# Altium PCB STB_LightBoard.PcbDoc (part 28 of 31) (continued)
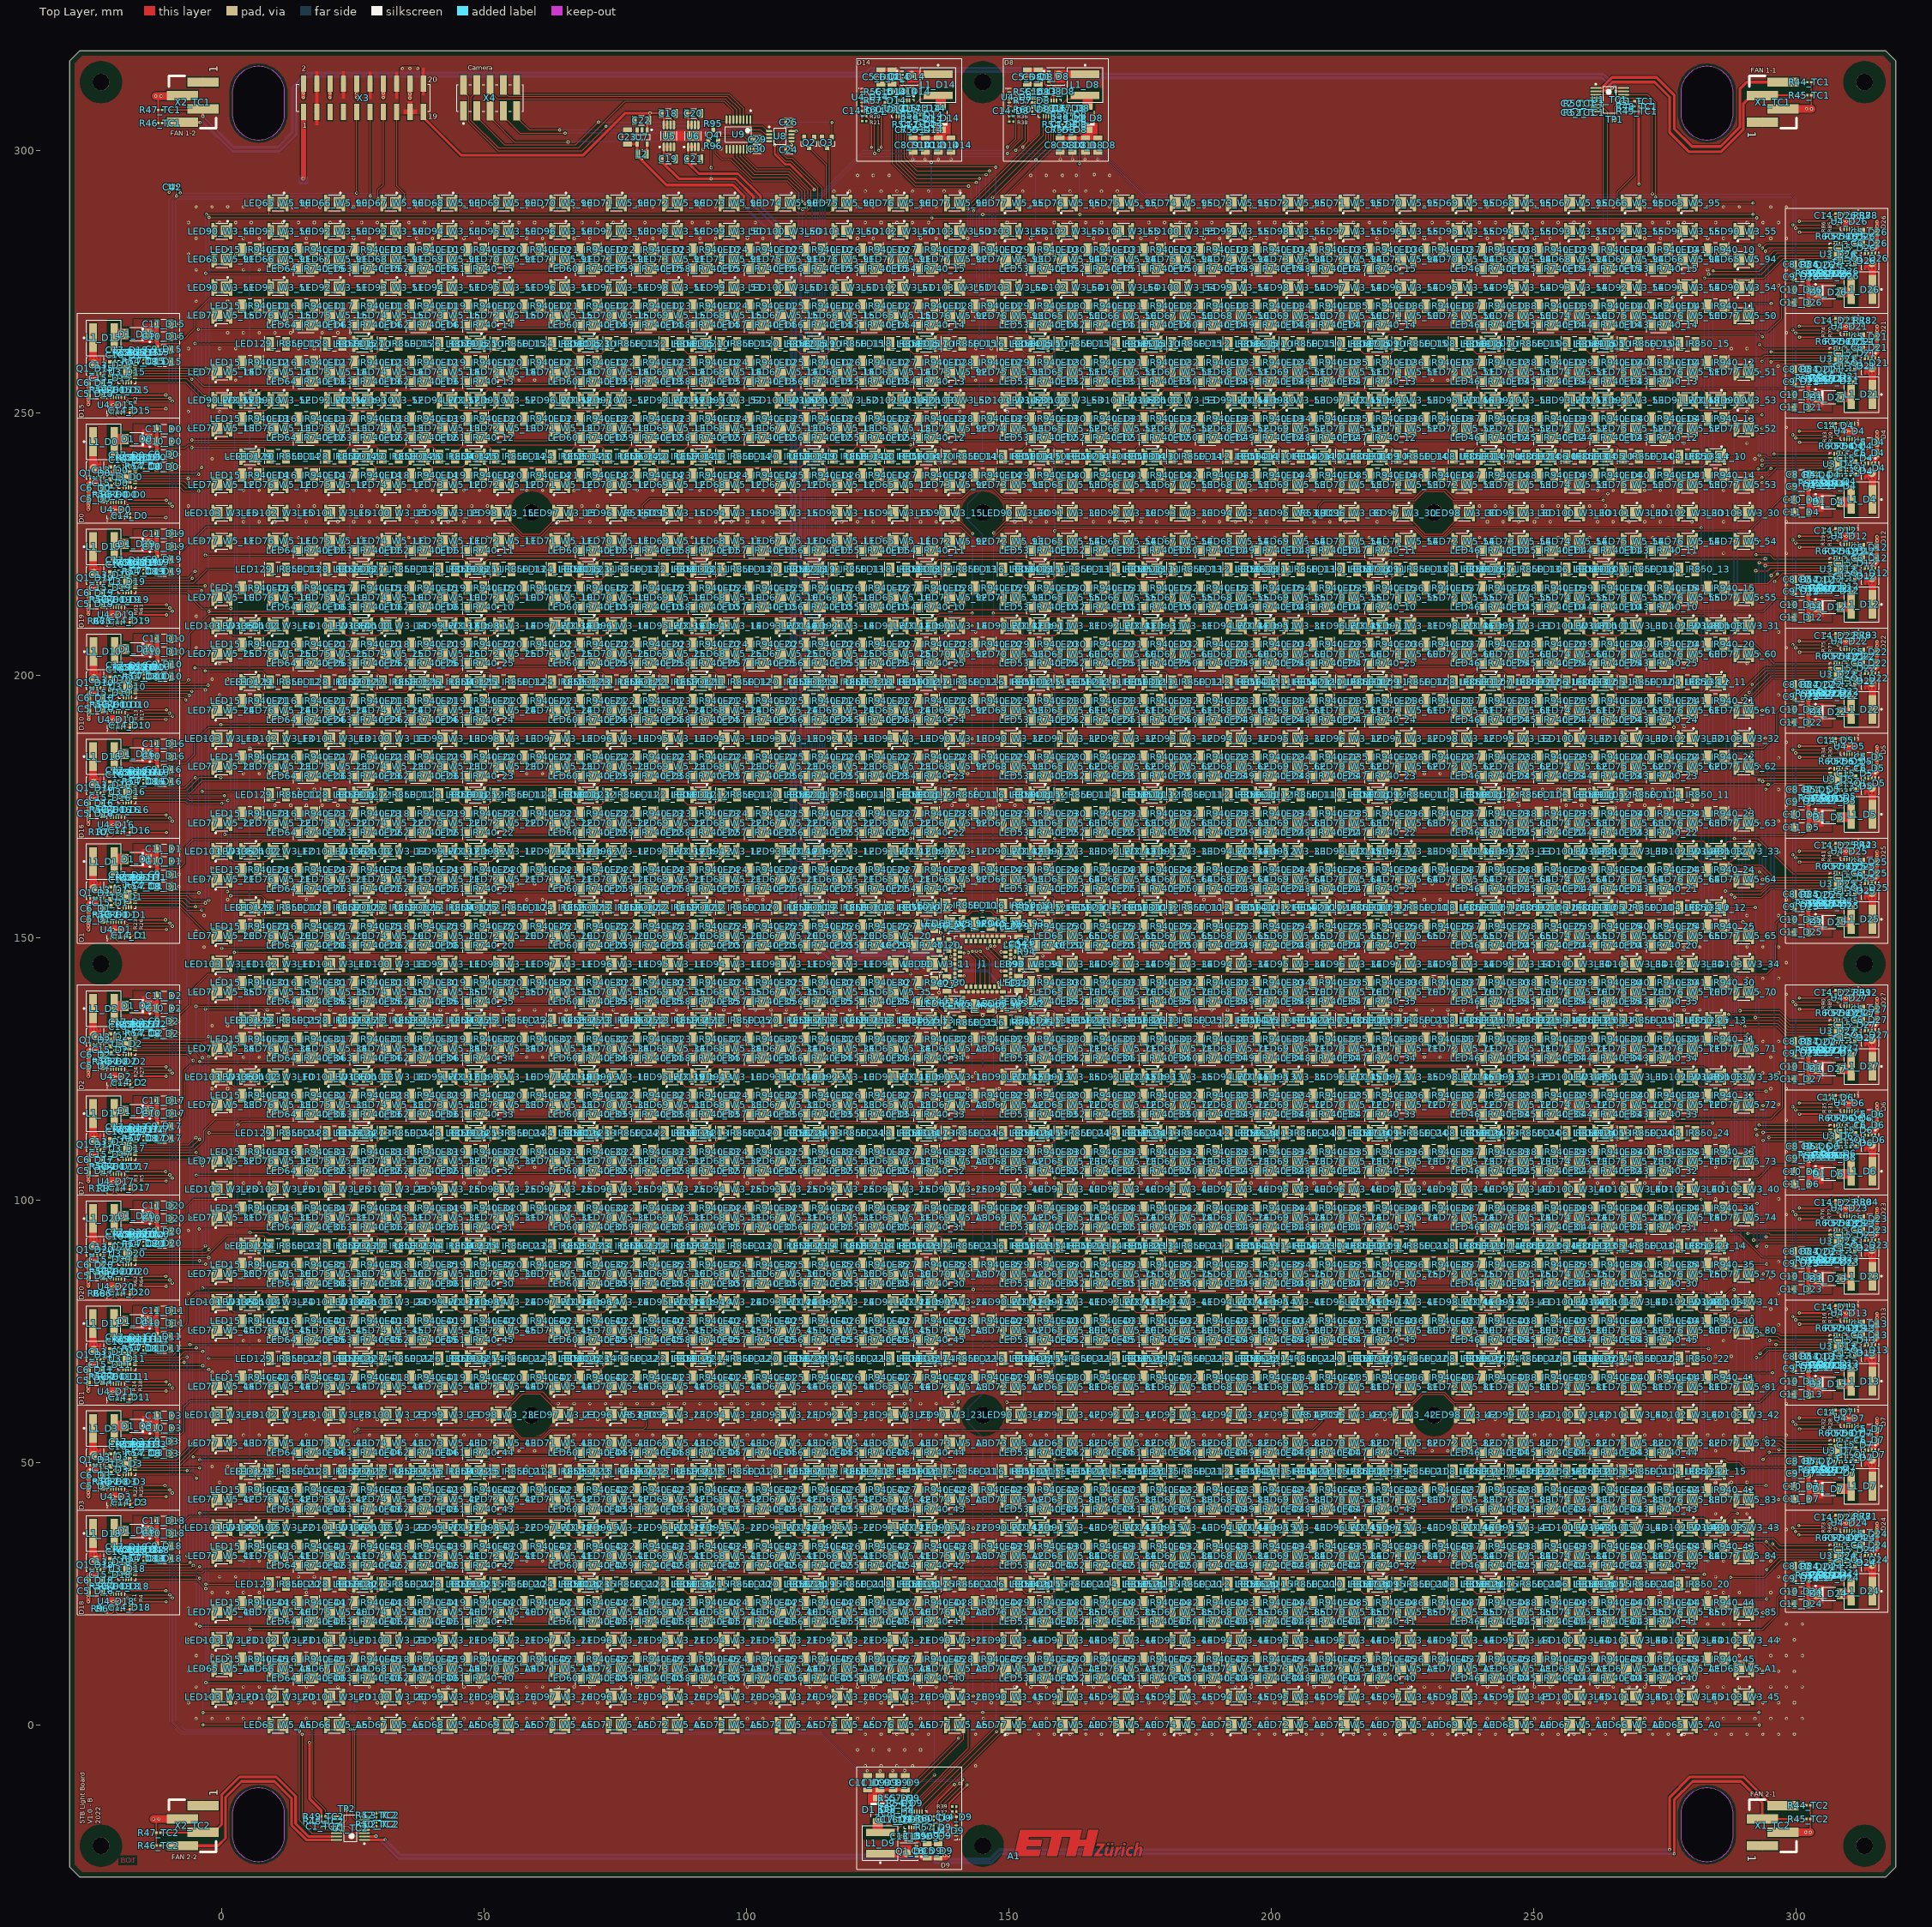
[diagram p0: Top Layer view]
## Nets (pads, with @x,y where several pads share a name; then routed paths per layer and width w, separated by ;. In a path a pad name is that pad's centre, name@x,y a point inside that pad or via, vN(x,y) a via of type N, cw(c..) or ccw(c..) an arc to the next point about the centre after c; other vN are vias at no path point) (continued)
NetLED118_IR850_11_1: LED118_IR850_11.1 LED119_IR850_11.2 | length 7.7
  Top Layer w0.2: LED119_IR850_11.2@119.651,177.226 LED118_IR850_11.1@127.392,177.226
NetLED118_IR850_12_1: LED118_IR850_12.1 LED119_IR850_12.2 | length 9.4
  Top Layer w0.2: LED119_IR850_12.2@119.651,199.258 120.624,200.231 120.624,200.239 120.947,200.562 126.088,200.562 127.392,199.258 LED118_IR850_12.1@127.392,198.708
NetLED118_IR850_13_1: LED118_IR850_13.1 LED119_IR850_13.2 | length 7.7
  Top Layer w0.2: LED119_IR850_13.2@119.651,220.19 LED118_IR850_13.1@127.392,220.19
NetLED118_IR850_14_1: LED118_IR850_14.1 LED119_IR850_14.2 | length 9.4
  Top Layer w0.2: LED119_IR850_14.2@119.651,242.222 120.624,243.195 120.624,243.203 120.947,243.526 126.088,243.526 127.392,242.222 LED118_IR850_14.1@127.392,241.672
NetLED118_IR850_15_1: LED118_IR850_15.1 LED119_IR850_15.2 | length 7.7
  Top Layer w0.2: LED119_IR850_15.2@119.651,263.154 LED118_IR850_15.1@127.392,263.154
NetLED118_IR850_20_1: LED118_IR850_20.1 LED119_IR850_20.2 | length 7.7
  Top Layer w0.2: LED119_IR850_20.2@119.651,26.852 LED118_IR850_20.1@127.392,26.852
NetLED118_IR850_21_1: LED118_IR850_21.1 LED119_IR850_21.2 | length 9.4
  Top Layer w0.2: LED119_IR850_21.2@119.651,48.884 120.624,49.857 120.624,49.865 120.947,50.188 126.088,50.188 127.392,48.884 LED118_IR850_21.1@127.392,48.334
NetLED118_IR850_22_1: LED118_IR850_22.1 LED119_IR850_22.2 | length 7.7
  Top Layer w0.2: LED119_IR850_22.2@119.651,69.816 LED118_IR850_22.1@127.392,69.816
NetLED118_IR850_23_1: LED118_IR850_23.1 LED119_IR850_23.2 | length 9.4
  Top Layer w0.2: LED119_IR850_23.2@119.651,91.848 120.624,92.821 120.624,92.829 120.947,93.152 126.088,93.152 127.392,91.848 LED118_IR850_23.1@127.392,91.298
NetLED118_IR850_24_1: LED118_IR850_24.1 LED119_IR850_24.2 | length 7.7
  Top Layer w0.2: LED119_IR850_24.2@119.651,112.78 LED118_IR850_24.1@127.392,112.78
NetLED118_IR850_25_1: LED118_IR850_25.1 LED119_IR850_25.2 | length 9.4
  Top Layer w0.2: LED119_IR850_25.2@119.651,134.812 120.624,135.785 120.624,135.793 120.947,136.116 126.088,136.116 127.392,134.812 LED118_IR850_25.1@127.392,134.262
NetLED119_IR850_10_1: LED119_IR850_10.1 LED120_IR850_10.2 | length 9.4
  Top Layer w0.2: LED120_IR850_10.2@108.91,156.294 109.883,157.267 109.883,157.275 110.206,157.598 115.347,157.598 116.651,156.294 LED119_IR850_10.1@116.651,155.744
NetLED119_IR850_11_1: LED119_IR850_11.1 LED120_IR850_11.2 | length 8.8
  Top Layer w0.2: LED120_IR850_11.2@108.91,176.676 110.24,175.346 115.321,175.346 LED119_IR850_11.1@116.651,176.676
NetLED119_IR850_12_1: LED119_IR850_12.1 LED120_IR850_12.2 | length 9.4
  Top Layer w0.2: LED120_IR850_12.2@108.91,199.258 109.883,200.231 109.883,200.239 110.206,200.562 115.347,200.562 116.651,199.258 LED119_IR850_12.1@116.651,198.708
NetLED119_IR850_13_1: LED119_IR850_13.1 LED120_IR850_13.2 | length 9.9
  Top Layer w0.2: LED120_IR850_13.2@108.91,220.19 108.91,219.64 110.207,218.343 115.354,218.343 116.651,219.64 LED119_IR850_13.1@116.651,220.19
NetLED119_IR850_14_1: LED119_IR850_14.1 LED120_IR850_14.2 | length 9.4
  Top Layer w0.2: LED120_IR850_14.2@108.91,242.222 109.883,243.195 109.883,243.203 110.206,243.526 115.347,243.526 116.651,242.222 LED119_IR850_14.1@116.651,241.672
NetLED119_IR850_15_1: LED119_IR850_15.1 LED120_IR850_15.2 | length 8.8
  Top Layer w0.2: LED120_IR850_15.2@108.91,262.604 110.214,261.3 115.347,261.3 LED119_IR850_15.1@116.651,262.604
NetLED119_IR850_20_1: LED119_IR850_20.1 LED120_IR850_20.2 | length 8.8
  Top Layer w0.2: LED120_IR850_20.2@108.91,26.302 110.214,24.998 115.347,24.998 LED119_IR850_20.1@116.651,26.302
NetLED119_IR850_21_1: LED119_IR850_21.1 LED120_IR850_21.2 | length 9.4
  Top Layer w0.2: LED120_IR850_21.2@108.91,48.884 109.883,49.857 109.883,49.865 110.206,50.188 115.347,50.188 116.651,48.884 LED119_IR850_21.1@116.651,48.334
NetLED119_IR850_22_1: LED119_IR850_22.1 LED120_IR850_22.2 | length 8.8
  Top Layer w0.2: LED120_IR850_22.2@108.91,69.266 110.214,67.962 115.347,67.962 LED119_IR850_22.1@116.651,69.266
NetLED119_IR850_23_1: LED119_IR850_23.1 LED120_IR850_23.2 | length 9.4
  Top Layer w0.2: LED120_IR850_23.2@108.91,91.848 109.883,92.821 109.883,92.829 110.206,93.152 115.347,93.152 116.651,91.848 LED119_IR850_23.1@116.651,91.298
NetLED119_IR850_24_1: LED119_IR850_24.1 LED120_IR850_24.2 | length 8.8
  Top Layer w0.2: LED120_IR850_24.2@108.91,112.23 110.214,110.926 115.347,110.926 LED119_IR850_24.1@116.651,112.23
NetLED119_IR850_25_1: LED119_IR850_25.1 LED120_IR850_25.2 | length 9.4
  Top Layer w0.2: LED120_IR850_25.2@108.91,134.812 109.883,135.785 109.883,135.793 110.206,136.116 115.347,136.116 116.651,134.812 LED119_IR850_25.1@116.651,134.262
NetLED120_IR850_10_1: LED120_IR850_10.1 LED121_IR850_10.2 | length 7.7
  Top Layer w0.2: LED121_IR850_10.2@98.169,155.744 LED120_IR850_10.1@105.91,155.744
NetLED120_IR850_11_1: LED120_IR850_11.1 LED121_IR850_11.2 | length 7.7
  Top Layer w0.2: LED121_IR850_11.2@98.169,177.226 LED120_IR850_11.1@105.91,177.226
NetLED120_IR850_12_1: LED120_IR850_12.1 LED121_IR850_12.2 | length 7.7
  Top Layer w0.2: LED121_IR850_12.2@98.169,198.708 LED120_IR850_12.1@105.91,198.708
NetLED120_IR850_13_1: LED120_IR850_13.1 LED121_IR850_13.2 | length 7.7
  Top Layer w0.2: LED121_IR850_13.2@98.169,220.19 LED120_IR850_13.1@105.91,220.19
NetLED120_IR850_14_1: LED120_IR850_14.1 LED121_IR850_14.2 | length 7.7
  Top Layer w0.2: LED121_IR850_14.2@98.169,241.672 LED120_IR850_14.1@105.91,241.672
NetLED120_IR850_15_1: LED120_IR850_15.1 LED121_IR850_15.2 | length 7.7
  Top Layer w0.2: LED121_IR850_15.2@98.169,263.154 LED120_IR850_15.1@105.91,263.154
NetLED120_IR850_20_1: LED120_IR850_20.1 LED121_IR850_20.2 | length 7.7
  Top Layer w0.2: LED121_IR850_20.2@98.169,26.852 LED120_IR850_20.1@105.91,26.852
NetLED120_IR850_21_1: LED120_IR850_21.1 LED121_IR850_21.2 | length 7.7
  Top Layer w0.2: LED121_IR850_21.2@98.169,48.334 LED120_IR850_21.1@105.91,48.334
NetLED120_IR850_22_1: LED120_IR850_22.1 LED121_IR850_22.2 | length 7.7
  Top Layer w0.2: LED121_IR850_22.2@98.169,69.816 LED120_IR850_22.1@105.91,69.816
NetLED120_IR850_23_1: LED120_IR850_23.1 LED121_IR850_23.2 | length 7.7
  Top Layer w0.2: LED121_IR850_23.2@98.169,91.298 LED120_IR850_23.1@105.91,91.298
NetLED120_IR850_24_1: LED120_IR850_24.1 LED121_IR850_24.2 | length 7.7
  Top Layer w0.2: LED121_IR850_24.2@98.169,112.78 LED120_IR850_24.1@105.91,112.78
NetLED120_IR850_25_1: LED120_IR850_25.1 LED121_IR850_25.2 | length 7.7
  Top Layer w0.2: LED121_IR850_25.2@98.169,134.262 LED120_IR850_25.1@105.91,134.262
NetLED121_IR850_10_1: LED121_IR850_10.1 LED122_IR850_10.2 | length 9.4
  Top Layer w0.2: LED122_IR850_10.2@87.428,156.294 88.401,157.267 88.401,157.275 88.724,157.598 93.865,157.598 95.169,156.294 LED121_IR850_10.1@95.169,155.744
NetLED121_IR850_11_1: LED121_IR850_11.1 LED122_IR850_11.2 | length 8.8
  Top Layer w0.2: LED122_IR850_11.2@87.428,176.676 88.758,175.346 93.839,175.346 LED121_IR850_11.1@95.169,176.676
NetLED121_IR850_12_1: LED121_IR850_12.1 LED122_IR850_12.2 | length 9.4
  Top Layer w0.2: LED122_IR850_12.2@87.428,199.258 88.401,200.231 88.401,200.239 88.724,200.562 93.865,200.562 95.169,199.258 LED121_IR850_12.1@95.169,198.708
NetLED121_IR850_13_1: LED121_IR850_13.1 LED122_IR850_13.2 | length 9.9
  Top Layer w0.2: LED122_IR850_13.2@87.428,220.19 87.428,219.64 88.725,218.343 93.872,218.343 95.169,219.64 LED121_IR850_13.1@95.169,220.19
NetLED121_IR850_14_1: LED121_IR850_14.1 LED122_IR850_14.2 | length 9.4
  Top Layer w0.2: LED122_IR850_14.2@87.428,242.222 88.401,243.195 88.401,243.203 88.724,243.526 93.865,243.526 95.169,242.222 LED121_IR850_14.1@95.169,241.672
NetLED121_IR850_15_1: LED121_IR850_15.1 LED122_IR850_15.2 | length 8.8
  Top Layer w0.2: LED122_IR850_15.2@87.428,262.604 88.732,261.3 93.865,261.3 LED121_IR850_15.1@95.169,262.604
NetLED121_IR850_20_1: LED121_IR850_20.1 LED122_IR850_20.2 | length 8.8
  Top Layer w0.2: LED122_IR850_20.2@87.428,26.302 88.732,24.998 93.865,24.998 LED121_IR850_20.1@95.169,26.302
NetLED121_IR850_21_1: LED121_IR850_21.1 LED122_IR850_21.2 | length 9.4
  Top Layer w0.2: LED122_IR850_21.2@87.428,48.884 88.401,49.857 88.401,49.865 88.724,50.188 93.865,50.188 95.169,48.884 LED121_IR850_21.1@95.169,48.334
NetLED121_IR850_22_1: LED121_IR850_22.1 LED122_IR850_22.2 | length 8.8
  Top Layer w0.2: LED122_IR850_22.2@87.428,69.266 88.732,67.962 93.865,67.962 LED121_IR850_22.1@95.169,69.266
NetLED121_IR850_23_1: LED121_IR850_23.1 LED122_IR850_23.2 | length 9.4
  Top Layer w0.2: LED122_IR850_23.2@87.428,91.848 88.401,92.821 88.401,92.829 88.724,93.152 93.865,93.152 95.169,91.848 LED121_IR850_23.1@95.169,91.298
NetLED121_IR850_24_1: LED121_IR850_24.1 LED122_IR850_24.2 | length 8.8
  Top Layer w0.2: LED122_IR850_24.2@87.428,112.23 88.732,110.926 93.865,110.926 LED121_IR850_24.1@95.169,112.23
NetLED121_IR850_25_1: LED121_IR850_25.1 LED122_IR850_25.2 | length 9.4
  Top Layer w0.2: LED122_IR850_25.2@87.428,134.812 88.401,135.785 88.401,135.793 88.724,136.116 93.865,136.116 95.169,134.812 LED121_IR850_25.1@95.169,134.262
NetLED122_IR850_10_1: LED122_IR850_10.1 LED123_IR850_10.2 | length 9.4
  Top Layer w0.2: LED123_IR850_10.2@76.687,156.294 77.66,157.267 77.66,157.275 77.983,157.598 83.124,157.598 84.428,156.294 LED122_IR850_10.1@84.428,155.744
NetLED122_IR850_11_1: LED122_IR850_11.1 LED123_IR850_11.2 | length 7.7
  Top Layer w0.2: LED123_IR850_11.2@76.687,177.226 LED122_IR850_11.1@84.428,177.226
NetLED122_IR850_12_1: LED122_IR850_12.1 LED123_IR850_12.2 | length 9.4
  Top Layer w0.2: LED123_IR850_12.2@76.687,199.258 77.66,200.231 77.66,200.239 77.983,200.562 83.124,200.562 84.428,199.258 LED122_IR850_12.1@84.428,198.708
NetLED122_IR850_13_1: LED122_IR850_13.1 LED123_IR850_13.2 | length 7.7
  Top Layer w0.2: LED123_IR850_13.2@76.687,220.19 LED122_IR850_13.1@84.428,220.19
NetLED122_IR850_14_1: LED122_IR850_14.1 LED123_IR850_14.2 | length 9.4
  Top Layer w0.2: LED123_IR850_14.2@76.687,242.222 77.66,243.195 77.66,243.203 77.983,243.526 83.124,243.526 84.428,242.222 LED122_IR850_14.1@84.428,241.672
NetLED122_IR850_15_1: LED122_IR850_15.1 LED123_IR850_15.2 | length 7.7
  Top Layer w0.2: LED123_IR850_15.2@76.687,263.154 LED122_IR850_15.1@84.428,263.154
NetLED122_IR850_20_1: LED122_IR850_20.1 LED123_IR850_20.2 | length 7.7
  Top Layer w0.2: LED123_IR850_20.2@76.687,26.852 LED122_IR850_20.1@84.428,26.852
NetLED122_IR850_21_1: LED122_IR850_21.1 LED123_IR850_21.2 | length 9.4
  Top Layer w0.2: LED123_IR850_21.2@76.687,48.884 77.66,49.857 77.66,49.865 77.983,50.188 83.124,50.188 84.428,48.884 LED122_IR850_21.1@84.428,48.334
NetLED122_IR850_22_1: LED122_IR850_22.1 LED123_IR850_22.2 | length 7.7
  Top Layer w0.2: LED123_IR850_22.2@76.687,69.816 LED122_IR850_22.1@84.428,69.816
NetLED122_IR850_23_1: LED122_IR850_23.1 LED123_IR850_23.2 | length 9.4
  Top Layer w0.2: LED123_IR850_23.2@76.687,91.848 77.66,92.821 77.66,92.829 77.983,93.152 83.124,93.152 84.428,91.848 LED122_IR850_23.1@84.428,91.298
NetLED122_IR850_24_1: LED122_IR850_24.1 LED123_IR850_24.2 | length 7.7
  Top Layer w0.2: LED123_IR850_24.2@76.687,112.78 LED122_IR850_24.1@84.428,112.78
NetLED122_IR850_25_1: LED122_IR850_25.1 LED123_IR850_25.2 | length 9.4
  Top Layer w0.2: LED123_IR850_25.2@76.687,134.812 77.66,135.785 77.66,135.793 77.983,136.116 83.124,136.116 84.428,134.812 LED122_IR850_25.1@84.428,134.262
NetLED123_IR850_10_1: LED123_IR850_10.1 LED124_IR850_10.2 | length 9.4
  Top Layer w0.2: LED124_IR850_10.2@65.946,156.294 66.919,157.267 66.919,157.275 67.242,157.598 72.383,157.598 73.687,156.294 LED123_IR850_10.1@73.687,155.744
NetLED123_IR850_11_1: LED123_IR850_11.1 LED124_IR850_11.2 | length 8.8
  Top Layer w0.2: LED124_IR850_11.2@65.946,176.676 67.276,175.346 72.357,175.346 LED123_IR850_11.1@73.687,176.676
NetLED123_IR850_12_1: LED123_IR850_12.1 LED124_IR850_12.2 | length 9.4
  Top Layer w0.2: LED124_IR850_12.2@65.946,199.258 66.919,200.231 66.919,200.239 67.242,200.562 72.383,200.562 73.687,199.258 LED123_IR850_12.1@73.687,198.708
NetLED123_IR850_13_1: LED123_IR850_13.1 LED124_IR850_13.2 | length 9.9
  Top Layer w0.2: LED124_IR850_13.2@65.946,220.19 65.946,219.64 67.243,218.343 72.39,218.343 73.687,219.64 LED123_IR850_13.1@73.687,220.19
NetLED123_IR850_14_1: LED123_IR850_14.1 LED124_IR850_14.2 | length 9.4
  Top Layer w0.2: LED124_IR850_14.2@65.946,242.222 66.919,243.195 66.919,243.203 67.242,243.526 72.383,243.526 73.687,242.222 LED123_IR850_14.1@73.687,241.672
NetLED123_IR850_15_1: LED123_IR850_15.1 LED124_IR850_15.2 | length 8.8
  Top Layer w0.2: LED124_IR850_15.2@65.946,262.604 67.25,261.3 72.383,261.3 LED123_IR850_15.1@73.687,262.604
NetLED123_IR850_20_1: LED123_IR850_20.1 LED124_IR850_20.2 | length 8.8
  Top Layer w0.2: LED124_IR850_20.2@65.946,26.302 67.25,24.998 72.383,24.998 LED123_IR850_20.1@73.687,26.302
NetLED123_IR850_21_1: LED123_IR850_21.1 LED124_IR850_21.2 | length 9.4
  Top Layer w0.2: LED124_IR850_21.2@65.946,48.884 66.919,49.857 66.919,49.865 67.242,50.188 72.383,50.188 73.687,48.884 LED123_IR850_21.1@73.687,48.334
NetLED123_IR850_22_1: LED123_IR850_22.1 LED124_IR850_22.2 | length 8.8
  Top Layer w0.2: LED124_IR850_22.2@65.946,69.266 67.25,67.962 72.383,67.962 LED123_IR850_22.1@73.687,69.266
NetLED123_IR850_23_1: LED123_IR850_23.1 LED124_IR850_23.2 | length 9.4
  Top Layer w0.2: LED124_IR850_23.2@65.946,91.848 66.919,92.821 66.919,92.829 67.242,93.152 72.383,93.152 73.687,91.848 LED123_IR850_23.1@73.687,91.298
NetLED123_IR850_24_1: LED123_IR850_24.1 LED124_IR850_24.2 | length 8.8
  Top Layer w0.2: LED124_IR850_24.2@65.946,112.23 67.25,110.926 72.383,110.926 LED123_IR850_24.1@73.687,112.23
NetLED123_IR850_25_1: LED123_IR850_25.1 LED124_IR850_25.2 | length 9.4
  Top Layer w0.2: LED124_IR850_25.2@65.946,134.812 66.919,135.785 66.919,135.793 67.242,136.116 72.383,136.116 73.687,134.812 LED123_IR850_25.1@73.687,134.262
NetLED124_IR850_10_1: LED124_IR850_10.1 LED125_IR850_10.2 | length 7.7
  Top Layer w0.2: LED125_IR850_10.2@55.205,155.744 LED124_IR850_10.1@62.946,155.744
NetLED124_IR850_11_1: LED124_IR850_11.1 LED125_IR850_11.2 | length 7.7
  Top Layer w0.2: LED125_IR850_11.2@55.205,177.226 LED124_IR850_11.1@62.946,177.226
NetLED124_IR850_12_1: LED124_IR850_12.1 LED125_IR850_12.2 | length 7.7
  Top Layer w0.2: LED125_IR850_12.2@55.205,198.708 LED124_IR850_12.1@62.946,198.708
NetLED124_IR850_13_1: LED124_IR850_13.1 LED125_IR850_13.2 | length 7.7
  Top Layer w0.2: LED125_IR850_13.2@55.205,220.19 LED124_IR850_13.1@62.946,220.19
NetLED124_IR850_14_1: LED124_IR850_14.1 LED125_IR850_14.2 | length 7.7
  Top Layer w0.2: LED125_IR850_14.2@55.205,241.672 LED124_IR850_14.1@62.946,241.672
NetLED124_IR850_15_1: LED124_IR850_15.1 LED125_IR850_15.2 | length 7.7
  Top Layer w0.2: LED125_IR850_15.2@55.205,263.154 LED124_IR850_15.1@62.946,263.154
NetLED124_IR850_20_1: LED124_IR850_20.1 LED125_IR850_20.2 | length 7.7
  Top Layer w0.2: LED125_IR850_20.2@55.205,26.852 LED124_IR850_20.1@62.946,26.852
NetLED124_IR850_21_1: LED124_IR850_21.1 LED125_IR850_21.2 | length 7.7
  Top Layer w0.2: LED125_IR850_21.2@55.205,48.334 LED124_IR850_21.1@62.946,48.334
NetLED124_IR850_22_1: LED124_IR850_22.1 LED125_IR850_22.2 | length 7.7
  Top Layer w0.2: LED125_IR850_22.2@55.205,69.816 LED124_IR850_22.1@62.946,69.816
NetLED124_IR850_23_1: LED124_IR850_23.1 LED125_IR850_23.2 | length 7.7
  Top Layer w0.2: LED125_IR850_23.2@55.205,91.298 LED124_IR850_23.1@62.946,91.298
NetLED124_IR850_24_1: LED124_IR850_24.1 LED125_IR850_24.2 | length 7.7
  Top Layer w0.2: LED125_IR850_24.2@55.205,112.78 LED124_IR850_24.1@62.946,112.78
NetLED124_IR850_25_1: LED124_IR850_25.1 LED125_IR850_25.2 | length 7.7
  Top Layer w0.2: LED125_IR850_25.2@55.205,134.262 LED124_IR850_25.1@62.946,134.262
NetLED125_IR850_10_1: LED125_IR850_10.1 LED126_IR850_10.2 | length 9.4
  Top Layer w0.2: LED126_IR850_10.2@44.464,156.294 45.437,157.267 45.437,157.275 45.76,157.598 50.901,157.598 52.205,156.294 LED125_IR850_10.1@52.205,155.744
NetLED125_IR850_11_1: LED125_IR850_11.1 LED126_IR850_11.2 | length 8.8
  Top Layer w0.2: LED126_IR850_11.2@44.464,176.676 45.794,175.346 50.875,175.346 LED125_IR850_11.1@52.205,176.676
NetLED125_IR850_12_1: LED125_IR850_12.1 LED126_IR850_12.2 | length 9.4
  Top Layer w0.2: LED126_IR850_12.2@44.464,199.258 45.437,200.231 45.437,200.239 45.76,200.562 50.901,200.562 52.205,199.258 LED125_IR850_12.1@52.205,198.708
NetLED125_IR850_13_1: LED125_IR850_13.1 LED126_IR850_13.2 | length 9.9
  Top Layer w0.2: LED126_IR850_13.2@44.464,220.19 44.464,219.64 45.761,218.343 50.908,218.343 52.205,219.64 LED125_IR850_13.1@52.205,220.19
NetLED125_IR850_14_1: LED125_IR850_14.1 LED126_IR850_14.2 | length 9.4
  Top Layer w0.2: LED126_IR850_14.2@44.464,242.222 45.437,243.195 45.437,243.203 45.76,243.526 50.901,243.526 52.205,242.222 LED125_IR850_14.1@52.205,241.672
NetLED125_IR850_15_1: LED125_IR850_15.1 LED126_IR850_15.2 | length 8.8
  Top Layer w0.2: LED126_IR850_15.2@44.464,262.604 45.768,261.3 50.901,261.3 LED125_IR850_15.1@52.205,262.604
NetLED125_IR850_20_1: LED125_IR850_20.1 LED126_IR850_20.2 | length 8.8
  Top Layer w0.2: LED126_IR850_20.2@44.464,26.302 45.768,24.998 50.901,24.998 LED125_IR850_20.1@52.205,26.302
NetLED125_IR850_21_1: LED125_IR850_21.1 LED126_IR850_21.2 | length 9.4
  Top Layer w0.2: LED126_IR850_21.2@44.464,48.884 45.437,49.857 45.437,49.865 45.76,50.188 50.901,50.188 52.205,48.884 LED125_IR850_21.1@52.205,48.334
NetLED125_IR850_22_1: LED125_IR850_22.1 LED126_IR850_22.2 | length 8.8
  Top Layer w0.2: LED126_IR850_22.2@44.464,69.266 45.768,67.962 50.901,67.962 LED125_IR850_22.1@52.205,69.266
NetLED125_IR850_23_1: LED125_IR850_23.1 LED126_IR850_23.2 | length 9.4
  Top Layer w0.2: LED126_IR850_23.2@44.464,91.848 45.437,92.821 45.437,92.829 45.76,93.152 50.901,93.152 52.205,91.848 LED125_IR850_23.1@52.205,91.298
NetLED125_IR850_24_1: LED125_IR850_24.1 LED126_IR850_24.2 | length 8.8
  Top Layer w0.2: LED126_IR850_24.2@44.464,112.23 45.768,110.926 50.901,110.926 LED125_IR850_24.1@52.205,112.23
NetLED125_IR850_25_1: LED125_IR850_25.1 LED126_IR850_25.2 | length 9.4
  Top Layer w0.2: LED126_IR850_25.2@44.464,134.812 45.437,135.785 45.437,135.793 45.76,136.116 50.901,136.116 52.205,134.812 LED125_IR850_25.1@52.205,134.262
NetLED126_IR850_10_1: LED126_IR850_10.1 LED127_IR850_10.2 | length 9.4
  Top Layer w0.2: LED127_IR850_10.2@33.723,156.294 34.696,157.267 34.696,157.275 35.019,157.598 40.16,157.598 41.464,156.294 LED126_IR850_10.1@41.464,155.744
NetLED126_IR850_11_1: LED126_IR850_11.1 LED127_IR850_11.2 | length 7.7
  Top Layer w0.2: LED127_IR850_11.2@33.723,177.226 LED126_IR850_11.1@41.464,177.226
NetLED126_IR850_12_1: LED126_IR850_12.1 LED127_IR850_12.2 | length 9.4
  Top Layer w0.2: LED127_IR850_12.2@33.723,199.258 34.696,200.231 34.696,200.239 35.019,200.562 40.16,200.562 41.464,199.258 LED126_IR850_12.1@41.464,198.708
NetLED126_IR850_13_1: LED126_IR850_13.1 LED127_IR850_13.2 | length 7.7
  Top Layer w0.2: LED127_IR850_13.2@33.723,220.19 LED126_IR850_13.1@41.464,220.19
NetLED126_IR850_14_1: LED126_IR850_14.1 LED127_IR850_14.2 | length 9.4
  Top Layer w0.2: LED127_IR850_14.2@33.723,242.222 34.696,243.195 34.696,243.203 35.019,243.526 40.16,243.526 41.464,242.222 LED126_IR850_14.1@41.464,241.672
NetLED126_IR850_15_1: LED126_IR850_15.1 LED127_IR850_15.2 | length 7.7
  Top Layer w0.2: LED127_IR850_15.2@33.723,263.154 LED126_IR850_15.1@41.464,263.154
NetLED126_IR850_20_1: LED126_IR850_20.1 LED127_IR850_20.2 | length 7.7
  Top Layer w0.2: LED127_IR850_20.2@33.723,26.852 LED126_IR850_20.1@41.464,26.852
NetLED126_IR850_21_1: LED126_IR850_21.1 LED127_IR850_21.2 | length 9.4
  Top Layer w0.2: LED127_IR850_21.2@33.723,48.884 34.696,49.857 34.696,49.865 35.019,50.188 40.16,50.188 41.464,48.884 LED126_IR850_21.1@41.464,48.334
NetLED126_IR850_22_1: LED126_IR850_22.1 LED127_IR850_22.2 | length 7.7
  Top Layer w0.2: LED127_IR850_22.2@33.723,69.816 LED126_IR850_22.1@41.464,69.816
NetLED126_IR850_23_1: LED126_IR850_23.1 LED127_IR850_23.2 | length 9.4
  Top Layer w0.2: LED127_IR850_23.2@33.723,91.848 34.696,92.821 34.696,92.829 35.019,93.152 40.16,93.152 41.464,91.848 LED126_IR850_23.1@41.464,91.298
NetLED126_IR850_24_1: LED126_IR850_24.1 LED127_IR850_24.2 | length 7.7
  Top Layer w0.2: LED127_IR850_24.2@33.723,112.78 LED126_IR850_24.1@41.464,112.78
NetLED126_IR850_25_1: LED126_IR850_25.1 LED127_IR850_25.2 | length 9.4
  Top Layer w0.2: LED127_IR850_25.2@33.723,134.812 34.696,135.785 34.696,135.793 35.019,136.116 40.16,136.116 41.464,134.812 LED126_IR850_25.1@41.464,134.262
NetLED127_IR850_10_1: LED127_IR850_10.1 LED128_IR850_10.2 | length 9.9
  Top Layer w0.2: LED128_IR850_10.2@22.982,155.744 22.982,156.294 23.955,157.267 23.955,157.275 24.278,157.598 29.419,157.598 30.723,156.294 LED127_IR850_10.1@30.723,155.744
NetLED127_IR850_11_1: LED127_IR850_11.1 LED128_IR850_11.2 | length 10.5
  Top Layer w0.2: LED128_IR850_11.2@22.982,177.776 LED128_IR850_11.2@22.982,177.226 22.982,176.676 24.312,175.346 29.393,175.346 30.723,176.676 LED127_IR850_11.1@30.723,177.226
NetLED127_IR850_12_1: LED127_IR850_12.1 LED128_IR850_12.2 | length 9.9
  Top Layer w0.2: LED128_IR850_12.2@22.982,198.708 22.982,199.258 23.955,200.231 23.955,200.239 24.278,200.562 29.419,200.562 30.723,199.258 LED127_IR850_12.1@30.723,198.708
NetLED127_IR850_13_1: LED127_IR850_13.1 LED128_IR850_13.2 | length 9.9
  Top Layer w0.2: LED128_IR850_13.2@22.982,220.19 22.982,219.64 24.279,218.343 29.426,218.343 30.723,219.64 LED127_IR850_13.1@30.723,220.19
NetLED127_IR850_14_1: LED127_IR850_14.1 LED128_IR850_14.2 | length 9.9
  Top Layer w0.2: LED128_IR850_14.2@22.982,241.672 22.982,242.222 23.955,243.195 23.955,243.203 24.278,243.526 29.419,243.526 30.723,242.222 LED127_IR850_14.1@30.723,241.672
NetLED127_IR850_15_1: LED127_IR850_15.1 LED128_IR850_15.2 | length 9.9
  Top Layer w0.2: LED128_IR850_15.2@22.982,263.154 22.982,262.604 24.286,261.3 29.419,261.3 30.723,262.604 LED127_IR850_15.1@30.723,263.154
NetLED127_IR850_20_1: LED127_IR850_20.1 LED128_IR850_20.2 | length 9.4
  Top Layer w0.2: LED128_IR850_20.2@22.982,26.302 24.286,24.998 29.419,24.998 30.723,26.302 LED127_IR850_20.1@30.723,26.852
NetLED127_IR850_21_1: LED127_IR850_21.1 LED128_IR850_21.2 | length 9.9
  Top Layer w0.2: LED128_IR850_21.2@22.982,48.334 22.982,48.884 23.955,49.857 23.955,49.865 24.278,50.188 29.419,50.188 30.723,48.884 LED127_IR850_21.1@30.723,48.334
NetLED127_IR850_22_1: LED127_IR850_22.1 LED128_IR850_22.2 | length 9.4
  Top Layer w0.2: LED128_IR850_22.2@22.982,69.266 24.286,67.962 29.419,67.962 30.723,69.266 LED127_IR850_22.1@30.723,69.816
NetLED127_IR850_23_1: LED127_IR850_23.1 LED128_IR850_23.2 | length 9.9
  Top Layer w0.2: LED128_IR850_23.2@22.982,91.298 22.982,91.848 23.955,92.821 23.955,92.829 24.278,93.152 29.419,93.152 30.723,91.848 LED127_IR850_23.1@30.723,91.298
NetLED127_IR850_24_1: LED127_IR850_24.1 LED128_IR850_24.2 | length 9.4
  Top Layer w0.2: LED128_IR850_24.2@22.982,112.23 24.286,110.926 29.419,110.926 30.723,112.23 LED127_IR850_24.1@30.723,112.78
NetLED127_IR850_25_1: LED127_IR850_25.1 LED128_IR850_25.2 | length 9.9
  Top Layer w0.2: LED128_IR850_25.2@22.982,134.262 22.982,134.812 23.955,135.785 23.955,135.793 24.278,136.116 29.419,136.116 30.723,134.812 LED127_IR850_25.1@30.723,134.262
NetLED128_IR850_10_1: LED128_IR850_10.1 LED129_IR850_10.2 | length 7.7
  Top Layer w0.2: LED129_IR850_10.2@12.241,155.744 LED128_IR850_10.1@19.982,155.744
NetLED128_IR850_11_1: LED128_IR850_11.1 LED129_IR850_11.2 | length 7.7
  Top Layer w0.2: LED129_IR850_11.2@12.241,177.226 LED128_IR850_11.1@19.982,177.226
NetLED128_IR850_12_1: LED128_IR850_12.1 LED129_IR850_12.2 | length 7.7
  Top Layer w0.2: LED129_IR850_12.2@12.241,198.708 LED128_IR850_12.1@19.982,198.708
NetLED128_IR850_13_1: LED128_IR850_13.1 LED129_IR850_13.2 | length 7.7
  Top Layer w0.2: LED129_IR850_13.2@12.241,220.19 LED128_IR850_13.1@19.982,220.19
NetLED128_IR850_14_1: LED128_IR850_14.1 LED129_IR850_14.2 | length 7.7
  Top Layer w0.2: LED129_IR850_14.2@12.241,241.672 LED128_IR850_14.1@19.982,241.672
NetLED128_IR850_15_1: LED128_IR850_15.1 LED129_IR850_15.2 | length 7.7
  Top Layer w0.2: LED129_IR850_15.2@12.241,263.154 LED128_IR850_15.1@19.982,263.154
NetLED128_IR850_20_1: LED128_IR850_20.1 LED129_IR850_20.2 | length 7.7
  Top Layer w0.2: LED129_IR850_20.2@12.241,26.852 LED128_IR850_20.1@19.982,26.852
NetLED128_IR850_21_1: LED128_IR850_21.1 LED129_IR850_21.2 | length 7.7
  Top Layer w0.2: LED129_IR850_21.2@12.241,48.334 LED128_IR850_21.1@19.982,48.334
NetLED128_IR850_22_1: LED128_IR850_22.1 LED129_IR850_22.2 | length 7.7
  Top Layer w0.2: LED129_IR850_22.2@12.241,69.816 LED128_IR850_22.1@19.982,69.816
NetLED128_IR850_23_1: LED128_IR850_23.1 LED129_IR850_23.2 | length 7.7
  Top Layer w0.2: LED129_IR850_23.2@12.241,91.298 LED128_IR850_23.1@19.982,91.298
NetLED128_IR850_24_1: LED128_IR850_24.1 LED129_IR850_24.2 | length 7.7
  Top Layer w0.2: LED129_IR850_24.2@12.241,112.78 LED128_IR850_24.1@19.982,112.78
NetLED128_IR850_25_1: LED128_IR850_25.1 LED129_IR850_25.2 | length 7.7
  Top Layer w0.2: LED129_IR850_25.2@12.241,134.262 LED128_IR850_25.1@19.982,134.262
NetLED129_IR850_10_1: LED129_IR850_10.1 U3_D19.10 | length 83.2
  Top Layer w0.2: U3_D19.10@-17.25,215.8 -17.25,215.798 -17.204,215.752 -6.752,215.752 -3.7,212.7 1.71,212.7 v1(1.729,212.719) ; v1(1.719,157.991) 7.544,157.991 LED129_IR850_10.1@9.241,156.294
  Bottom Layer w0.2: v1(1.719,157.991) 1.719,167.255 1.748,167.284 1.748,212.7 v1(1.729,212.719)
NetLED129_IR850_11_1: LED129_IR850_11.1 U3_D19.11 | length 64.4
  Top Layer w0.2: U3_D19.11@-16.5,216.55 -4.25,216.55 v1(-3.8,216.1) ; v1(-3.739,177.895) 8.591,177.895 9.241,177.245 LED129_IR850_11.1@9.241,177.226
  Bottom Layer w0.2: v1(-3.8,216.1) -3.769,216.069 -3.769,177.925 v1(-3.739,177.895)
NetLED129_IR850_12_1: LED129_IR850_12.1 U3_D19.12 | length 53.4
  Top Layer w0.2: U3_D19.12@-16.5,217.05 v1(-3.15,217.05) ; LED129_IR850_12.1@9.241,199.258 7.625,200.874 ; 7.625,200.874 -3.15,200.874 7.625,200.874
  Bottom Layer w0.2: v1(-3.15,200.85) v1(-3.15,217.05)
NetLED129_IR850_13_1: LED129_IR850_13.1 U3_D19.13 | length 26.8
  Top Layer w0.2: U3_D19.13@-16.5,217.55 -5.363,217.55 -2.723,220.19 LED129_IR850_13.1@9.241,220.19
NetLED129_IR850_14_1: LED129_IR850_14.1 U3_D19.14 | length 51.6
  Top Layer w0.2: U3_D19.14@-16.5,218.05 -6.013,218.05 v1(-5.58,218.482) ; v1(-5.7,243.354) -5.591,243.354 -5.44,243.505 7.958,243.505 LED129_IR850_14.1@9.241,242.222
  Bottom Layer w0.2: v1(-5.7,243.354) -5.64,243.294 -5.64,218.542 v1(-5.58,218.482)
NetLED129_IR850_15_1: LED129_IR850_15.1 U3_D19.15 | length 69.7
  Top Layer w0.2: U3_D19.15@-16.5,218.55 -6.315,218.55 v1(-5.086,219.779) ; v1(-5.1,263.2) -5.054,263.154 LED129_IR850_15.1@9.241,263.154
  Bottom Layer w0.2: v1(-5.1,263.2) -5.093,263.193 -5.093,219.786 v1(-5.086,219.779)
NetLED129_IR850_20_1: LED129_IR850_20.1 U3_D20.10 | length 87.4
  Top Layer w0.2: U3_D20.10@-17.25,87.8 v1(-3.067,87.8) ; v1(-3.033,26.829) 9.218,26.829 LED129_IR850_20.1@9.241,26.852
  Bottom Layer w0.2: v1(-3.033,26.829) v1@-3.033,87.767
NetLED129_IR850_21_1: LED129_IR850_21.1 U3_D20.11 | length 64.9
  Top Layer w0.2: U3_D20.11@-16.5,88.55 -4.53,88.55 -4.526,88.546 -4.31,88.546 v1(-4.232,88.469) ; v1(-4.2,50.5) 7.625,50.5 9.241,48.884 LED129_IR850_21.1@9.241,48.334
  Bottom Layer w0.2: v1(-4.232,88.469) -4.232,67.113 -4.2,67.081 v1(-4.2,50.5)
NetLED129_IR850_22_1: LED129_IR850_22.1 U3_D20.12 | length 45
  Top Layer w0.2: U3_D20.12@-16.5,89.05 -2.459,89.05 v1(-2.444,89.036) ; v1(-2.479,69.9) 9.157,69.9 LED129_IR850_22.1@9.241,69.816
  Bottom Layer w0.2: v1(-2.479,69.9) -2.462,69.918 -2.462,89.018 v1(-2.444,89.036)
NetLED129_IR850_23_1: LED129_IR850_23.1 U3_D20.13 | length 27.8
  Top Layer w0.2: U3_D20.13@-16.5,89.55 -2.65,89.55 1.042,93.243 7.847,93.243 LED129_IR850_23.1@9.241,91.848
NetLED129_IR850_24_1: LED129_IR850_24.1 U3_D20.14 | length 59.8
  Top Layer w0.2: U3_D20.14@-16.5,90.05 -2.95,90.05 v1(-2.4,90.6) ; v1@-2.4,112.78 LED129_IR850_24.1@9.241,112.78 v1@-2.4,112.78
  Bottom Layer w0.2: v1(-2.4,90.6) v1(-2.4,112.8)
NetLED129_IR850_25_1: LED129_IR850_25.1 U3_D20.15 | length 82.5
  Top Layer w0.2: U3_D20.15@-16.5,90.55 -3.85,90.55 v1(-3.1,91.3) ; LED129_IR850_25.1@9.241,134.812 7.625,136.428 ; 7.625,136.428 -3.1,136.428 7.625,136.428
  Bottom Layer w0.2: v1(-3.1,91.3) v1(-3.1,136.4)
NetLED130_r_10_1: LED130_r_10.1 LED131_r_10.2 | length 20
  Top Layer w0.2: LED130_r_10.1@221.89,241.65 221.89,240.375 222.565,239.7 239.358,239.7 239.772,240.114 239.772,240.175 LED131_r_10.2@239.939,240.342 ; LED131_r_10.2@239.939,240.342 240,240.342 LED131_r_10.2@239.939,240.342
NetLED130_r_11_1: LED130_r_11.1 LED131_r_11.2 | length 20
  Top Layer w0.2: LED130_r_11.1@221.89,198.686 221.89,197.411 222.565,196.736 239.358,196.736 239.772,197.15 239.772,197.211 LED131_r_11.2@239.939,197.378 ; LED131_r_11.2@239.939,197.378 240,197.378 LED131_r_11.2@239.939,197.378

## Text inside footprints (layer, text, board x,y; h text height)
LED99_W3_21: Mechanical 1 "A" at 44.488,13.824 h0.51; Mechanical 1 "K" at 41.059,13.824 h0.51
LED99_W3_22: Mechanical 1 "A" at 44.488,35.304 h0.51; Mechanical 1 "K" at 41.059,35.304 h0.51
LED99_W3_23: Mechanical 1 "A" at 44.488,56.784 h0.51; Mechanical 1 "K" at 41.059,56.784 h0.51
LED99_W3_24: Mechanical 1 "A" at 44.488,78.264 h0.51; Mechanical 1 "K" at 41.059,78.264 h0.51
LED99_W3_25: Mechanical 1 "A" at 44.488,99.744 h0.51; Mechanical 1 "K" at 41.059,99.744 h0.51
LED99_W3_30: Mechanical 1 "A" at 245.519,233.196 h0.51 r180; Mechanical 1 "K" at 248.948,233.196 h0.51 r180
LED99_W3_31: Mechanical 1 "A" at 245.519,211.716 h0.51 r180; Mechanical 1 "K" at 248.948,211.716 h0.51 r180
LED99_W3_32: Mechanical 1 "A" at 245.519,190.236 h0.51 r180; Mechanical 1 "K" at 248.948,190.236 h0.51 r180
LED99_W3_33: Mechanical 1 "A" at 245.519,168.756 h0.51 r180; Mechanical 1 "K" at 248.948,168.756 h0.51 r180
LED99_W3_34: Mechanical 1 "A" at 245.519,147.276 h0.51 r180; Mechanical 1 "K" at 248.948,147.276 h0.51 r180
LED99_W3_35: Mechanical 1 "A" at 245.519,125.796 h0.51 r180; Mechanical 1 "K" at 248.948,125.796 h0.51 r180
LED99_W3_40: Mechanical 1 "A" at 245.519,104.316 h0.51 r180; Mechanical 1 "K" at 248.948,104.316 h0.51 r180
LED99_W3_41: Mechanical 1 "A" at 245.519,82.836 h0.51 r180; Mechanical 1 "K" at 248.948,82.836 h0.51 r180
LED99_W3_42: Mechanical 1 "A" at 245.519,61.356 h0.51 r180; Mechanical 1 "K" at 248.948,61.356 h0.51 r180
LED99_W3_43: Mechanical 1 "A" at 245.519,39.876 h0.51 r180; Mechanical 1 "K" at 248.948,39.876 h0.51 r180
LED99_W3_44: Mechanical 1 "A" at 245.519,18.396 h0.51 r180; Mechanical 1 "K" at 248.948,18.396 h0.51 r180
LED99_W3_45: Mechanical 1 "A" at 245.519,7.656 h0.51 r180; Mechanical 1 "K" at 248.948,7.656 h0.51 r180
LED99_W3_50: Mechanical 1 "A" at 95.145,286.896 h0.51 r180; Mechanical 1 "K" at 98.574,286.896 h0.51 r180
LED99_W3_51: Mechanical 1 "A" at 95.145,276.156 h0.51 r180; Mechanical 1 "K" at 98.574,276.156 h0.51 r180
LED99_W3_52: Mechanical 1 "A" at 95.145,254.676 h0.51 r180; Mechanical 1 "K" at 98.574,254.676 h0.51 r180
LED99_W3_53: Mechanical 1 "A" at 194.862,250.104 h0.51; Mechanical 1 "K" at 191.433,250.104 h0.51
LED99_W3_54: Mechanical 1 "A" at 194.862,271.584 h0.51; Mechanical 1 "K" at 191.433,271.584 h0.51
LED99_W3_55: Mechanical 1 "A" at 194.862,282.324 h0.51; Mechanical 1 "K" at 191.433,282.324 h0.51
LED100_W3_10: Mechanical 1 "A" at 33.747,121.224 h0.51; Mechanical 1 "K" at 30.318,121.224 h0.51
LED100_W3_11: Mechanical 1 "A" at 33.747,142.704 h0.51; Mechanical 1 "K" at 30.318,142.704 h0.51
LED100_W3_12: Mechanical 1 "A" at 33.747,164.184 h0.51; Mechanical 1 "K" at 30.318,164.184 h0.51
LED100_W3_13: Mechanical 1 "A" at 33.747,185.664 h0.51; Mechanical 1 "K" at 30.318,185.664 h0.51
LED100_W3_14: Mechanical 1 "A" at 33.747,207.144 h0.51; Mechanical 1 "K" at 30.318,207.144 h0.51
LED100_W3_15: Mechanical 1 "A" at 33.747,228.624 h0.51; Mechanical 1 "K" at 30.318,228.624 h0.51
LED100_W3_20: Mechanical 1 "A" at 33.747,3.084 h0.51; Mechanical 1 "K" at 30.318,3.084 h0.51
LED100_W3_21: Mechanical 1 "A" at 33.747,13.824 h0.51; Mechanical 1 "K" at 30.318,13.824 h0.51
LED100_W3_22: Mechanical 1 "A" at 33.747,35.304 h0.51; Mechanical 1 "K" at 30.318,35.304 h0.51
LED100_W3_23: Mechanical 1 "A" at 33.747,56.784 h0.51; Mechanical 1 "K" at 30.318,56.784 h0.51
LED100_W3_24: Mechanical 1 "A" at 33.747,78.264 h0.51; Mechanical 1 "K" at 30.318,78.264 h0.51
LED100_W3_25: Mechanical 1 "A" at 33.747,99.744 h0.51; Mechanical 1 "K" at 30.318,99.744 h0.51
LED100_W3_30: Mechanical 1 "A" at 256.26,233.196 h0.51 r180; Mechanical 1 "K" at 259.689,233.196 h0.51 r180
LED100_W3_31: Mechanical 1 "A" at 256.26,211.716 h0.51 r180; Mechanical 1 "K" at 259.689,211.716 h0.51 r180
LED100_W3_32: Mechanical 1 "A" at 256.26,190.236 h0.51 r180; Mechanical 1 "K" at 259.689,190.236 h0.51 r180
LED100_W3_33: Mechanical 1 "A" at 256.26,168.756 h0.51 r180; Mechanical 1 "K" at 259.689,168.756 h0.51 r180
LED100_W3_34: Mechanical 1 "A" at 256.26,147.276 h0.51 r180; Mechanical 1 "K" at 259.689,147.276 h0.51 r180
LED100_W3_35: Mechanical 1 "A" at 256.26,125.796 h0.51 r180; Mechanical 1 "K" at 259.689,125.796 h0.51 r180
LED100_W3_40: Mechanical 1 "A" at 256.26,104.316 h0.51 r180; Mechanical 1 "K" at 259.689,104.316 h0.51 r180
LED100_W3_41: Mechanical 1 "A" at 256.26,82.836 h0.51 r180; Mechanical 1 "K" at 259.689,82.836 h0.51 r180
LED100_W3_42: Mechanical 1 "A" at 256.26,61.356 h0.51 r180; Mechanical 1 "K" at 259.689,61.356 h0.51 r180
LED100_W3_43: Mechanical 1 "A" at 256.26,39.876 h0.51 r180; Mechanical 1 "K" at 259.689,39.876 h0.51 r180
LED100_W3_44: Mechanical 1 "A" at 256.26,18.396 h0.51 r180; Mechanical 1 "K" at 259.689,18.396 h0.51 r180
LED100_W3_45: Mechanical 1 "A" at 256.26,7.656 h0.51 r180; Mechanical 1 "K" at 259.689,7.656 h0.51 r180
LED100_W3_50: Mechanical 1 "A" at 105.886,286.896 h0.51 r180; Mechanical 1 "K" at 109.315,286.896 h0.51 r180
LED100_W3_51: Mechanical 1 "A" at 105.886,276.156 h0.51 r180; Mechanical 1 "K" at 109.315,276.156 h0.51 r180
LED100_W3_52: Mechanical 1 "A" at 105.886,254.676 h0.51 r180; Mechanical 1 "K" at 109.315,254.676 h0.51 r180
LED100_W3_53: Mechanical 1 "A" at 184.121,250.104 h0.51; Mechanical 1 "K" at 180.692,250.104 h0.51
LED100_W3_54: Mechanical 1 "A" at 184.121,271.584 h0.51; Mechanical 1 "K" at 180.692,271.584 h0.51
LED100_W3_55: Mechanical 1 "A" at 184.121,282.324 h0.51; Mechanical 1 "K" at 180.692,282.324 h0.51
LED101_W3_10: Mechanical 1 "A" at 23.006,121.224 h0.51; Mechanical 1 "K" at 19.577,121.224 h0.51
LED101_W3_11: Mechanical 1 "A" at 23.006,142.704 h0.51; Mechanical 1 "K" at 19.577,142.704 h0.51
LED101_W3_12: Mechanical 1 "A" at 23.006,164.184 h0.51; Mechanical 1 "K" at 19.577,164.184 h0.51
LED101_W3_13: Mechanical 1 "A" at 23.006,185.664 h0.51; Mechanical 1 "K" at 19.577,185.664 h0.51
LED101_W3_14: Mechanical 1 "A" at 23.006,207.144 h0.51; Mechanical 1 "K" at 19.577,207.144 h0.51
LED101_W3_15: Mechanical 1 "A" at 23.006,228.624 h0.51; Mechanical 1 "K" at 19.577,228.624 h0.51
LED101_W3_20: Mechanical 1 "A" at 23.006,3.084 h0.51; Mechanical 1 "K" at 19.577,3.084 h0.51
LED101_W3_21: Mechanical 1 "A" at 23.006,13.824 h0.51; Mechanical 1 "K" at 19.577,13.824 h0.51
LED101_W3_22: Mechanical 1 "A" at 23.006,35.304 h0.51; Mechanical 1 "K" at 19.577,35.304 h0.51
LED101_W3_23: Mechanical 1 "A" at 23.006,56.784 h0.51; Mechanical 1 "K" at 19.577,56.784 h0.51
LED101_W3_24: Mechanical 1 "A" at 23.006,78.264 h0.51; Mechanical 1 "K" at 19.577,78.264 h0.51
LED101_W3_25: Mechanical 1 "A" at 23.006,99.744 h0.51; Mechanical 1 "K" at 19.577,99.744 h0.51
LED101_W3_30: Mechanical 1 "A" at 267.001,233.196 h0.51 r180; Mechanical 1 "K" at 270.43,233.196 h0.51 r180
LED101_W3_31: Mechanical 1 "A" at 267.001,211.716 h0.51 r180; Mechanical 1 "K" at 270.43,211.716 h0.51 r180
LED101_W3_32: Mechanical 1 "A" at 267.001,190.236 h0.51 r180; Mechanical 1 "K" at 270.43,190.236 h0.51 r180
LED101_W3_33: Mechanical 1 "A" at 267.001,168.756 h0.51 r180; Mechanical 1 "K" at 270.43,168.756 h0.51 r180
LED101_W3_34: Mechanical 1 "A" at 267.001,147.276 h0.51 r180; Mechanical 1 "K" at 270.43,147.276 h0.51 r180
LED101_W3_35: Mechanical 1 "A" at 267.001,125.796 h0.51 r180; Mechanical 1 "K" at 270.43,125.796 h0.51 r180
LED101_W3_40: Mechanical 1 "A" at 267.001,104.316 h0.51 r180; Mechanical 1 "K" at 270.43,104.316 h0.51 r180
LED101_W3_41: Mechanical 1 "A" at 267.001,82.836 h0.51 r180; Mechanical 1 "K" at 270.43,82.836 h0.51 r180
LED101_W3_42: Mechanical 1 "A" at 267.001,61.356 h0.51 r180; Mechanical 1 "K" at 270.43,61.356 h0.51 r180
LED101_W3_43: Mechanical 1 "A" at 267.001,39.876 h0.51 r180; Mechanical 1 "K" at 270.43,39.876 h0.51 r180
LED101_W3_44: Mechanical 1 "A" at 267.001,18.396 h0.51 r180; Mechanical 1 "K" at 270.43,18.396 h0.51 r180
LED101_W3_45: Mechanical 1 "A" at 267.001,7.656 h0.51 r180; Mechanical 1 "K" at 270.43,7.656 h0.51 r180
LED101_W3_50: Mechanical 1 "A" at 116.627,286.896 h0.51 r180; Mechanical 1 "K" at 120.056,286.896 h0.51 r180
LED101_W3_51: Mechanical 1 "A" at 116.627,276.156 h0.51 r180; Mechanical 1 "K" at 120.056,276.156 h0.51 r180
LED101_W3_52: Mechanical 1 "A" at 116.627,254.676 h0.51 r180; Mechanical 1 "K" at 120.056,254.676 h0.51 r180
LED101_W3_53: Mechanical 1 "A" at 173.38,250.104 h0.51; Mechanical 1 "K" at 169.951,250.104 h0.51
LED101_W3_54: Mechanical 1 "A" at 173.38,271.584 h0.51; Mechanical 1 "K" at 169.951,271.584 h0.51
LED101_W3_55: Mechanical 1 "A" at 173.38,282.324 h0.51; Mechanical 1 "K" at 169.951,282.324 h0.51
LED102_W3_10: Mechanical 1 "A" at 12.265,121.224 h0.51; Mechanical 1 "K" at 8.836,121.224 h0.51
LED102_W3_11: Mechanical 1 "A" at 12.265,142.704 h0.51; Mechanical 1 "K" at 8.836,142.704 h0.51
LED102_W3_12: Mechanical 1 "A" at 12.265,164.184 h0.51; Mechanical 1 "K" at 8.836,164.184 h0.51
LED102_W3_13: Mechanical 1 "A" at 12.265,185.664 h0.51; Mechanical 1 "K" at 8.836,185.664 h0.51
LED102_W3_14: Mechanical 1 "A" at 12.265,207.144 h0.51; Mechanical 1 "K" at 8.836,207.144 h0.51
LED102_W3_15: Mechanical 1 "A" at 12.265,228.624 h0.51; Mechanical 1 "K" at 8.836,228.624 h0.51
LED102_W3_20: Mechanical 1 "A" at 12.265,3.084 h0.51; Mechanical 1 "K" at 8.836,3.084 h0.51
LED102_W3_21: Mechanical 1 "A" at 12.265,13.824 h0.51; Mechanical 1 "K" at 8.836,13.824 h0.51
LED102_W3_22: Mechanical 1 "A" at 12.265,35.304 h0.51; Mechanical 1 "K" at 8.836,35.304 h0.51
LED102_W3_23: Mechanical 1 "A" at 12.265,56.784 h0.51; Mechanical 1 "K" at 8.836,56.784 h0.51
LED102_W3_24: Mechanical 1 "A" at 12.265,78.264 h0.51; Mechanical 1 "K" at 8.836,78.264 h0.51
LED102_W3_25: Mechanical 1 "A" at 12.265,99.744 h0.51; Mechanical 1 "K" at 8.836,99.744 h0.51
LED102_W3_30: Mechanical 1 "A" at 277.742,233.196 h0.51 r180; Mechanical 1 "K" at 281.171,233.196 h0.51 r180
LED102_W3_31: Mechanical 1 "A" at 277.742,211.716 h0.51 r180; Mechanical 1 "K" at 281.171,211.716 h0.51 r180
LED102_W3_32: Mechanical 1 "A" at 277.742,190.236 h0.51 r180; Mechanical 1 "K" at 281.171,190.236 h0.51 r180
LED102_W3_33: Mechanical 1 "A" at 277.742,168.756 h0.51 r180; Mechanical 1 "K" at 281.171,168.756 h0.51 r180
LED102_W3_34: Mechanical 1 "A" at 277.742,147.276 h0.51 r180; Mechanical 1 "K" at 281.171,147.276 h0.51 r180
LED102_W3_35: Mechanical 1 "A" at 277.742,125.796 h0.51 r180; Mechanical 1 "K" at 281.171,125.796 h0.51 r180
LED102_W3_40: Mechanical 1 "A" at 277.742,104.316 h0.51 r180; Mechanical 1 "K" at 281.171,104.316 h0.51 r180
LED102_W3_41: Mechanical 1 "A" at 277.742,82.836 h0.51 r180; Mechanical 1 "K" at 281.171,82.836 h0.51 r180
LED102_W3_42: Mechanical 1 "A" at 277.742,61.356 h0.51 r180; Mechanical 1 "K" at 281.171,61.356 h0.51 r180
LED102_W3_43: Mechanical 1 "A" at 277.742,39.876 h0.51 r180; Mechanical 1 "K" at 281.171,39.876 h0.51 r180
LED102_W3_44: Mechanical 1 "A" at 277.742,18.396 h0.51 r180; Mechanical 1 "K" at 281.171,18.396 h0.51 r180
LED102_W3_45: Mechanical 1 "A" at 277.742,7.656 h0.51 r180; Mechanical 1 "K" at 281.171,7.656 h0.51 r180
LED102_W3_50: Mechanical 1 "A" at 127.368,286.896 h0.51 r180; Mechanical 1 "K" at 130.797,286.896 h0.51 r180
LED102_W3_51: Mechanical 1 "A" at 127.368,276.156 h0.51 r180; Mechanical 1 "K" at 130.797,276.156 h0.51 r180
LED102_W3_52: Mechanical 1 "A" at 127.368,254.676 h0.51 r180; Mechanical 1 "K" at 130.797,254.676 h0.51 r180
LED102_W3_53: Mechanical 1 "A" at 162.639,250.104 h0.51; Mechanical 1 "K" at 159.21,250.104 h0.51
LED102_W3_54: Mechanical 1 "A" at 162.639,271.584 h0.51; Mechanical 1 "K" at 159.21,271.584 h0.51
LED102_W3_55: Mechanical 1 "A" at 162.639,282.324 h0.51; Mechanical 1 "K" at 159.21,282.324 h0.51
LED103_W3_10: Mechanical 1 "A" at 1.524,121.224 h0.51; Mechanical 1 "K" at -1.905,121.224 h0.51
LED103_W3_11: Mechanical 1 "A" at 1.524,142.704 h0.51; Mechanical 1 "K" at -1.905,142.704 h0.51
LED103_W3_12: Mechanical 1 "A" at 1.524,164.184 h0.51; Mechanical 1 "K" at -1.905,164.184 h0.51
LED103_W3_13: Mechanical 1 "A" at 1.524,185.664 h0.51; Mechanical 1 "K" at -1.905,185.664 h0.51
LED103_W3_14: Mechanical 1 "A" at 1.524,207.144 h0.51; Mechanical 1 "K" at -1.905,207.144 h0.51
LED103_W3_15: Mechanical 1 "A" at 1.524,228.624 h0.51; Mechanical 1 "K" at -1.905,228.624 h0.51
LED103_W3_20: Mechanical 1 "A" at 1.524,3.084 h0.51; Mechanical 1 "K" at -1.905,3.084 h0.51
LED103_W3_21: Mechanical 1 "A" at 1.524,13.824 h0.51; Mechanical 1 "K" at -1.905,13.824 h0.51
LED103_W3_22: Mechanical 1 "A" at 1.524,35.304 h0.51; Mechanical 1 "K" at -1.905,35.304 h0.51
LED103_W3_23: Mechanical 1 "A" at 1.524,56.784 h0.51; Mechanical 1 "K" at -1.905,56.784 h0.51
LED103_W3_24: Mechanical 1 "A" at 1.524,78.264 h0.51; Mechanical 1 "K" at -1.905,78.264 h0.51
LED103_W3_25: Mechanical 1 "A" at 1.524,99.744 h0.51; Mechanical 1 "K" at -1.905,99.744 h0.51
LED103_W3_30: Mechanical 1 "A" at 288.483,233.196 h0.51 r180; Mechanical 1 "K" at 291.912,233.196 h0.51 r180
LED103_W3_31: Mechanical 1 "A" at 288.483,211.716 h0.51 r180; Mechanical 1 "K" at 291.912,211.716 h0.51 r180
LED103_W3_32: Mechanical 1 "A" at 288.483,190.236 h0.51 r180; Mechanical 1 "K" at 291.912,190.236 h0.51 r180
LED103_W3_33: Mechanical 1 "A" at 288.483,168.756 h0.51 r180; Mechanical 1 "K" at 291.912,168.756 h0.51 r180
LED103_W3_34: Mechanical 1 "A" at 288.483,147.276 h0.51 r180; Mechanical 1 "K" at 291.912,147.276 h0.51 r180
LED103_W3_35: Mechanical 1 "A" at 288.483,125.796 h0.51 r180; Mechanical 1 "K" at 291.912,125.796 h0.51 r180
LED103_W3_40: Mechanical 1 "A" at 288.483,104.316 h0.51 r180; Mechanical 1 "K" at 291.912,104.316 h0.51 r180
LED103_W3_41: Mechanical 1 "A" at 288.483,82.836 h0.51 r180; Mechanical 1 "K" at 291.912,82.836 h0.51 r180
LED103_W3_42: Mechanical 1 "A" at 288.483,61.356 h0.51 r180; Mechanical 1 "K" at 291.912,61.356 h0.51 r180
LED103_W3_43: Mechanical 1 "A" at 288.483,39.876 h0.51 r180; Mechanical 1 "K" at 291.912,39.876 h0.51 r180
LED103_W3_44: Mechanical 1 "A" at 288.483,18.396 h0.51 r180; Mechanical 1 "K" at 291.912,18.396 h0.51 r180
LED103_W3_45: Mechanical 1 "A" at 288.483,7.656 h0.51 r180; Mechanical 1 "K" at 291.912,7.656 h0.51 r180
LED103_W3_50: Mechanical 1 "A" at 138.109,286.896 h0.51 r180; Mechanical 1 "K" at 141.538,286.896 h0.51 r180
LED103_W3_51: Mechanical 1 "A" at 138.109,276.156 h0.51 r180; Mechanical 1 "K" at 141.538,276.156 h0.51 r180
LED103_W3_52: Mechanical 1 "A" at 138.109,254.676 h0.51 r180; Mechanical 1 "K" at 141.538,254.676 h0.51 r180
LED103_W3_53: Mechanical 1 "A" at 151.898,250.104 h0.51; Mechanical 1 "K" at 148.469,250.104 h0.51
LED103_W3_54: Mechanical 1 "A" at 151.898,271.584 h0.51; Mechanical 1 "K" at 148.469,271.584 h0.51
LED103_W3_55: Mechanical 1 "A" at 151.898,282.324 h0.51; Mechanical 1 "K" at 148.469,282.324 h0.51
LED130_r_10: Mechanical 1 "K" at 222.095,243.936 h0.51 r180; Mechanical 1 "A" at 218.666,243.936 h0.51 r180
LED130_r_11: Mechanical 1 "K" at 222.095,200.976 h0.51 r180; Mechanical 1 "A" at 218.666,200.976 h0.51 r180
LED130_r_12: Mechanical 1 "K" at 222.095,158.016 h0.51 r180; Mechanical 1 "A" at 218.666,158.016 h0.51 r180
LED130_r_13: Mechanical 1 "K" at 222.095,136.536 h0.51 r180; Mechanical 1 "A" at 218.666,136.536 h0.51 r180
LED130_r_14: Mechanical 1 "K" at 222.095,93.576 h0.51 r180; Mechanical 1 "A" at 218.666,93.576 h0.51 r180
LED130_r_15: Mechanical 1 "K" at 222.095,50.616 h0.51 r180; Mechanical 1 "A" at 218.666,50.616 h0.51 r180
LED131_r_10: Mechanical 1 "K" at 243.577,243.936 h0.51 r180; Mechanical 1 "A" at 240.148,243.936 h0.51 r180
LED131_r_11: Mechanical 1 "K" at 243.577,200.976 h0.51 r180; Mechanical 1 "A" at 240.148,200.976 h0.51 r180
LED131_r_12: Mechanical 1 "K" at 243.577,158.016 h0.51 r180; Mechanical 1 "A" at 240.148,158.016 h0.51 r180
LED131_r_13: Mechanical 1 "K" at 243.577,136.536 h0.51 r180; Mechanical 1 "A" at 240.148,136.536 h0.51 r180
LED131_r_14: Mechanical 1 "K" at 243.577,93.576 h0.51 r180; Mechanical 1 "A" at 240.148,93.576 h0.51 r180
LED131_r_15: Mechanical 1 "K" at 243.577,50.616 h0.51 r180; Mechanical 1 "A" at 240.148,50.616 h0.51 r180
LED132_r_10: Mechanical 1 "K" at 254.318,243.936 h0.51 r180; Mechanical 1 "A" at 250.889,243.936 h0.51 r180
LED132_r_11: Mechanical 1 "K" at 254.318,200.976 h0.51 r180; Mechanical 1 "A" at 250.889,200.976 h0.51 r180